# Altium PCB RockerBox_Rev04.PcbDoc (part 9 of 9)
Units mil, origin at the board's own origin, x right, y up, seen from the top; angles counter-clockwise.
Board outline 5354.33 x 8818.9 mil, 4 copper layers (L1, L2, L3, L4), stack 62.087 mil thick; 582 components, 159 nets, 3630 pads, 4701 vias.
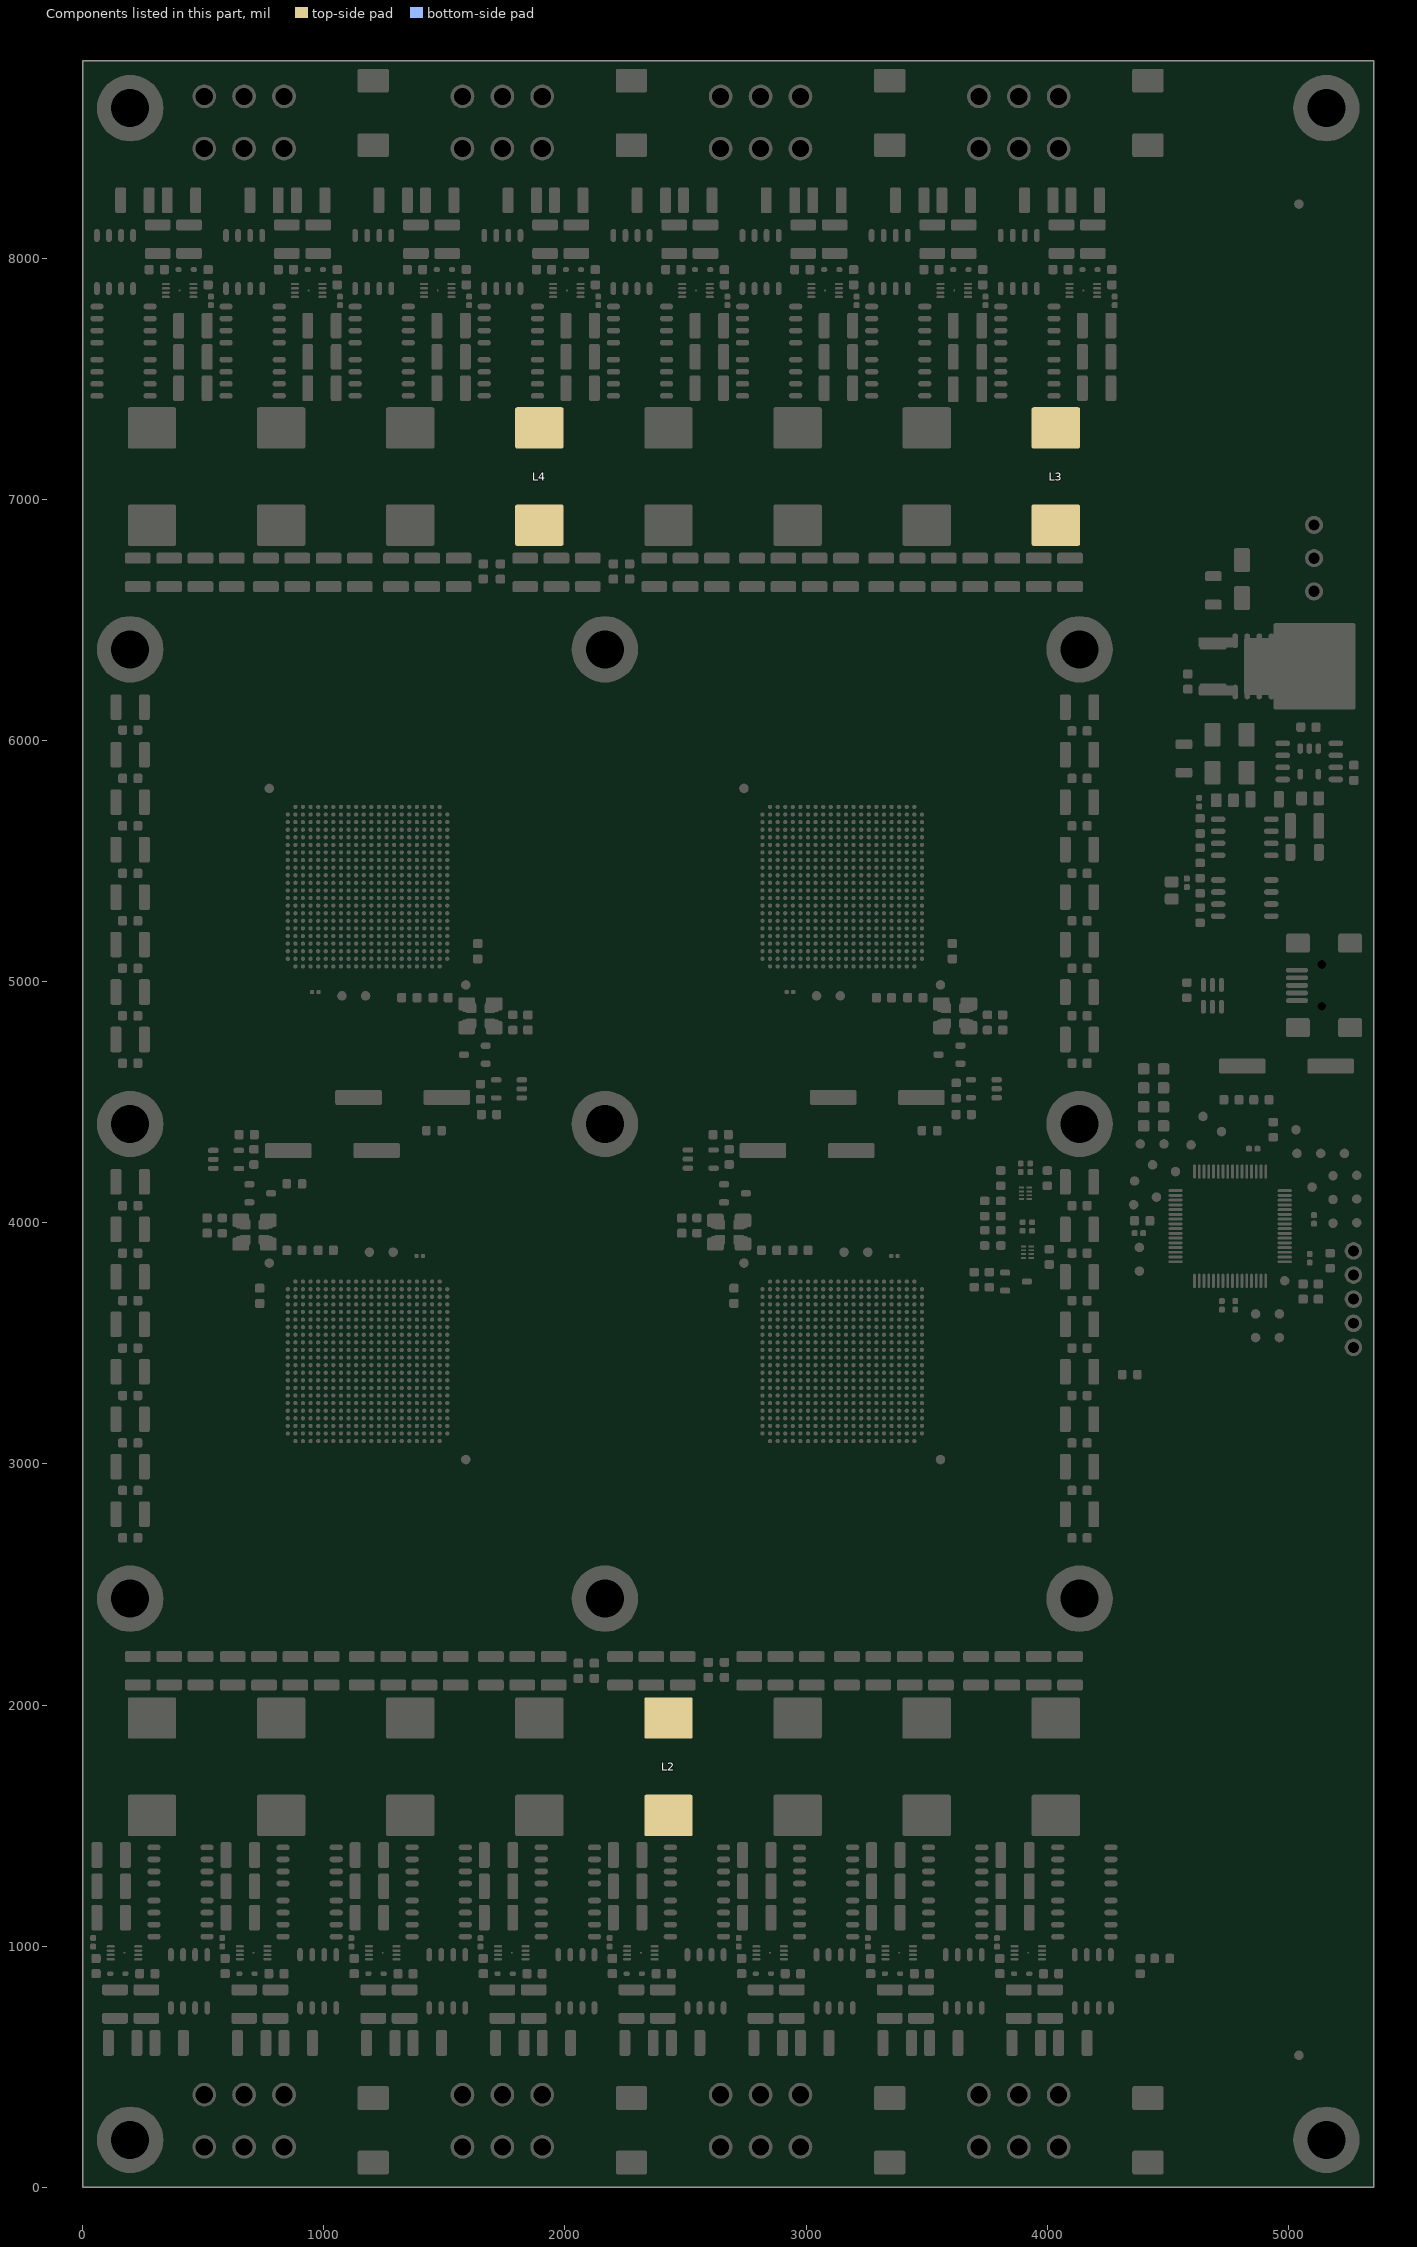
[diagram p11: the components of this part, seen from the top]

## Polygon pours and split planes (outlines as drawn) (continued)
SWN11 on L4 "L4-$1I88\SWN11" (solid, remove dead copper, pour order 154): 2976.38,7917.32 2976.38,7381.89 3066.93,7381.89 3066.93,7208.66 2704.72,7208.66 2704.72,7917.32
12V on L4 "L4-12V 1" (solid, remove dead copper, pour order 164): 0,8818.9 5354.33,8818.9 5354.33,7944.88 0,7944.88
SWN2 on L4 "L4-$1I88\SWN2" (solid, remove dead copper, pour order 152): 811.02,921.26 811.02,1456.69 720.47,1456.69 720.47,1629.92 1082.68,1629.92 1082.68,921.26
SWN12 on L4 "L4-$1I88\SWN12" (solid, remove dead copper, pour order 158): 2440.94,7917.32 2440.94,7381.89 2531.5,7381.89 2531.5,7208.66 2169.29,7208.66 2169.29,7917.32
SWN10 on L4 "L4-$1I88\SWN10" (solid, remove dead copper, pour order 155): 3511.81,7917.32 3511.81,7381.89 3602.36,7381.89 3602.36,7208.66 3240.16,7208.66 3240.16,7917.32
SWN13 on L4 "L4-$1I88\SWN13" (solid, remove dead copper, pour order 162): 1905.51,7917.32 1905.51,7381.89 1996.06,7381.89 1996.06,7208.66 1633.86,7208.66 1633.86,7917.32
SWN9 on L4 "L4-$1I88\SWN9" (solid, remove dead copper, pour order 161): 4047.24,7917.32 4047.24,7381.89 4137.8,7381.89 4137.8,7208.66 3775.59,7208.66 3775.59,7917.32
SWN4 on L4 "L4-$1I88\SWN4" (solid, remove dead copper, pour order 156): 1881.89,921.26 1881.89,1456.69 1791.34,1456.69 1791.34,1629.92 2153.54,1629.92 2153.54,921.26
12V on L3 "L3-12V" (solid, remove dead copper, pour order 147): 0,8818.9 5354.33,8818.9 5354.33,0 0,0
1V on L3 "L3-1V" (solid, remove dead copper, pour order 146): 0,1062.99 4330.71,1062.99 4330.71,7755.91 0,7755.91
GND on L2 "L2-GND" (solid, remove dead copper, pour order 145): 0,0 5354.33,0 5354.33,8818.9 0,8818.9

## Keep-outs
Keep-Out Layer:
  the board outline again, w7.87

## Other copper
Multi-Layer:
  lines w1.97: -822.83,-954.72 -822.83,-960.63 -816.93,-960.63
  lines w3.94: -625.98,-468.5 -429.13,-468.5 6854.33,-468.5 ; -625.98,1303.15 -429.13,1303.15 -429.13,-763.78 ; -625.98,2918.82 -429.13,2918.82 ; -625.98,4887.32 -429.13,4887.32 ; -625.98,6855.82 -429.13,6855.82 ; -625.98,8825.82 -429.13,8825.82 ; -429.13,10535.43 -429.13,-763.78 ; -419.29,-763.78 6854.33,-763.78 ; 6854.33,1303.15 6854.33,-763.78 ; -429.13,-763.78 6854.33,-763.78 ; -429.13,-763.78 -625.98,-763.78 -625.98,10535.43 6854.33,10535.43 6854.33,-763.78 ; -429.13,-763.78 6854.33,-763.78 ; -429.13,-763.78 6854.33,-763.78
  text "Printed copies of this document are uncontrolled and may NOT be current. All information is strictly CONFIDENTIAL." at -403.54,-568.9 h41.34
  text "IMI Group reserves all rights even in the event of industrial property rights." at 3852.36,-568.9 h41.34
  text "We reserve all rights of disposal such as copying and passing on to third parties." at -405.51,-704.72 h41.34

## Silkscreen, mask and mechanical layers (free items; w line width, h text height)
26_Silkscreen Top:
  text "TECHNOBIT" at 5197.66,7073.97 h118.11 r90
28_Solder Mask Bottom:
  region: 157.48,3031.5 4173.23,3031.5 4173.23,2086.61 157.48,2086.61 157.48,3031.5
  region: 157.48,6771.65 4173.23,6771.65 4173.23,5826.77 157.48,5826.77 157.48,6771.65

## Text inside footprints (layer, text, board x,y; h text height)
J1: Top Assy "5" at 5232.29,3455.38 h19.68 r270; Top Assy "1" at 5232.29,3921.63 h19.68 r270
J2: Top Assy "5" at 5114.17,5042.65 h19.68 r90; Top Assy "1" at 5114.17,4918.92 h19.68 r90
J3: Top Assy "3" at 5118.11,6938.32 h19.68 r90; Top Assy "1" at 5118.11,6562.62 h19.68 r90
J4: Top Assy "1" at 1972.82,181.1 h19.68 r180; Top Assy "4" at 1977.5,375.98 h19.68 r180; Top Assy "3" at 1520.34,181.1 h19.68 r180; Top Assy "6" at 1519.87,375.98 h19.68 r180
J5: Top Assy "1" at 901.95,181.1 h19.68 r180; Top Assy "4" at 906.63,375.98 h19.68 r180; Top Assy "3" at 449.47,181.1 h19.68 r180; Top Assy "6" at 449,375.98 h19.68 r180
J6: Top Assy "1" at 2578.37,8657.48 h19.68; Top Assy "4" at 2573.68,8462.6 h19.68; Top Assy "3" at 3030.84,8657.48 h19.68; Top Assy "6" at 3031.31,8462.6 h19.68
J7: Top Assy "1" at 3649.23,8657.48 h19.68; Top Assy "4" at 3644.55,8462.6 h19.68; Top Assy "3" at 4101.71,8657.48 h19.68; Top Assy "6" at 4102.18,8462.6 h19.68
J8: Top Assy "1" at 1507.5,8657.48 h19.68; Top Assy "4" at 1502.81,8462.6 h19.68; Top Assy "3" at 1959.98,8657.48 h19.68; Top Assy "6" at 1960.44,8462.6 h19.68
J10: Top Assy "1" at 436.63,8657.48 h19.68; Top Assy "4" at 431.95,8462.6 h19.68; Top Assy "3" at 889.11,8657.48 h19.68; Top Assy "6" at 889.58,8462.6 h19.68
J11: Top Assy "1" at 3043.68,181.1 h19.68 r180; Top Assy "4" at 3048.37,375.98 h19.68 r180; Top Assy "3" at 2591.21,181.1 h19.68 r180; Top Assy "6" at 2590.74,375.98 h19.68 r180
J12: Top Assy "1" at 4114.55,181.1 h19.68 r180; Top Assy "4" at 4119.23,375.98 h19.68 r180; Top Assy "3" at 3662.07,181.1 h19.68 r180; Top Assy "6" at 3661.6,375.98 h19.68 r180